# Allegro board reServer industrial J401 Carrier Board v11.brd (continued)
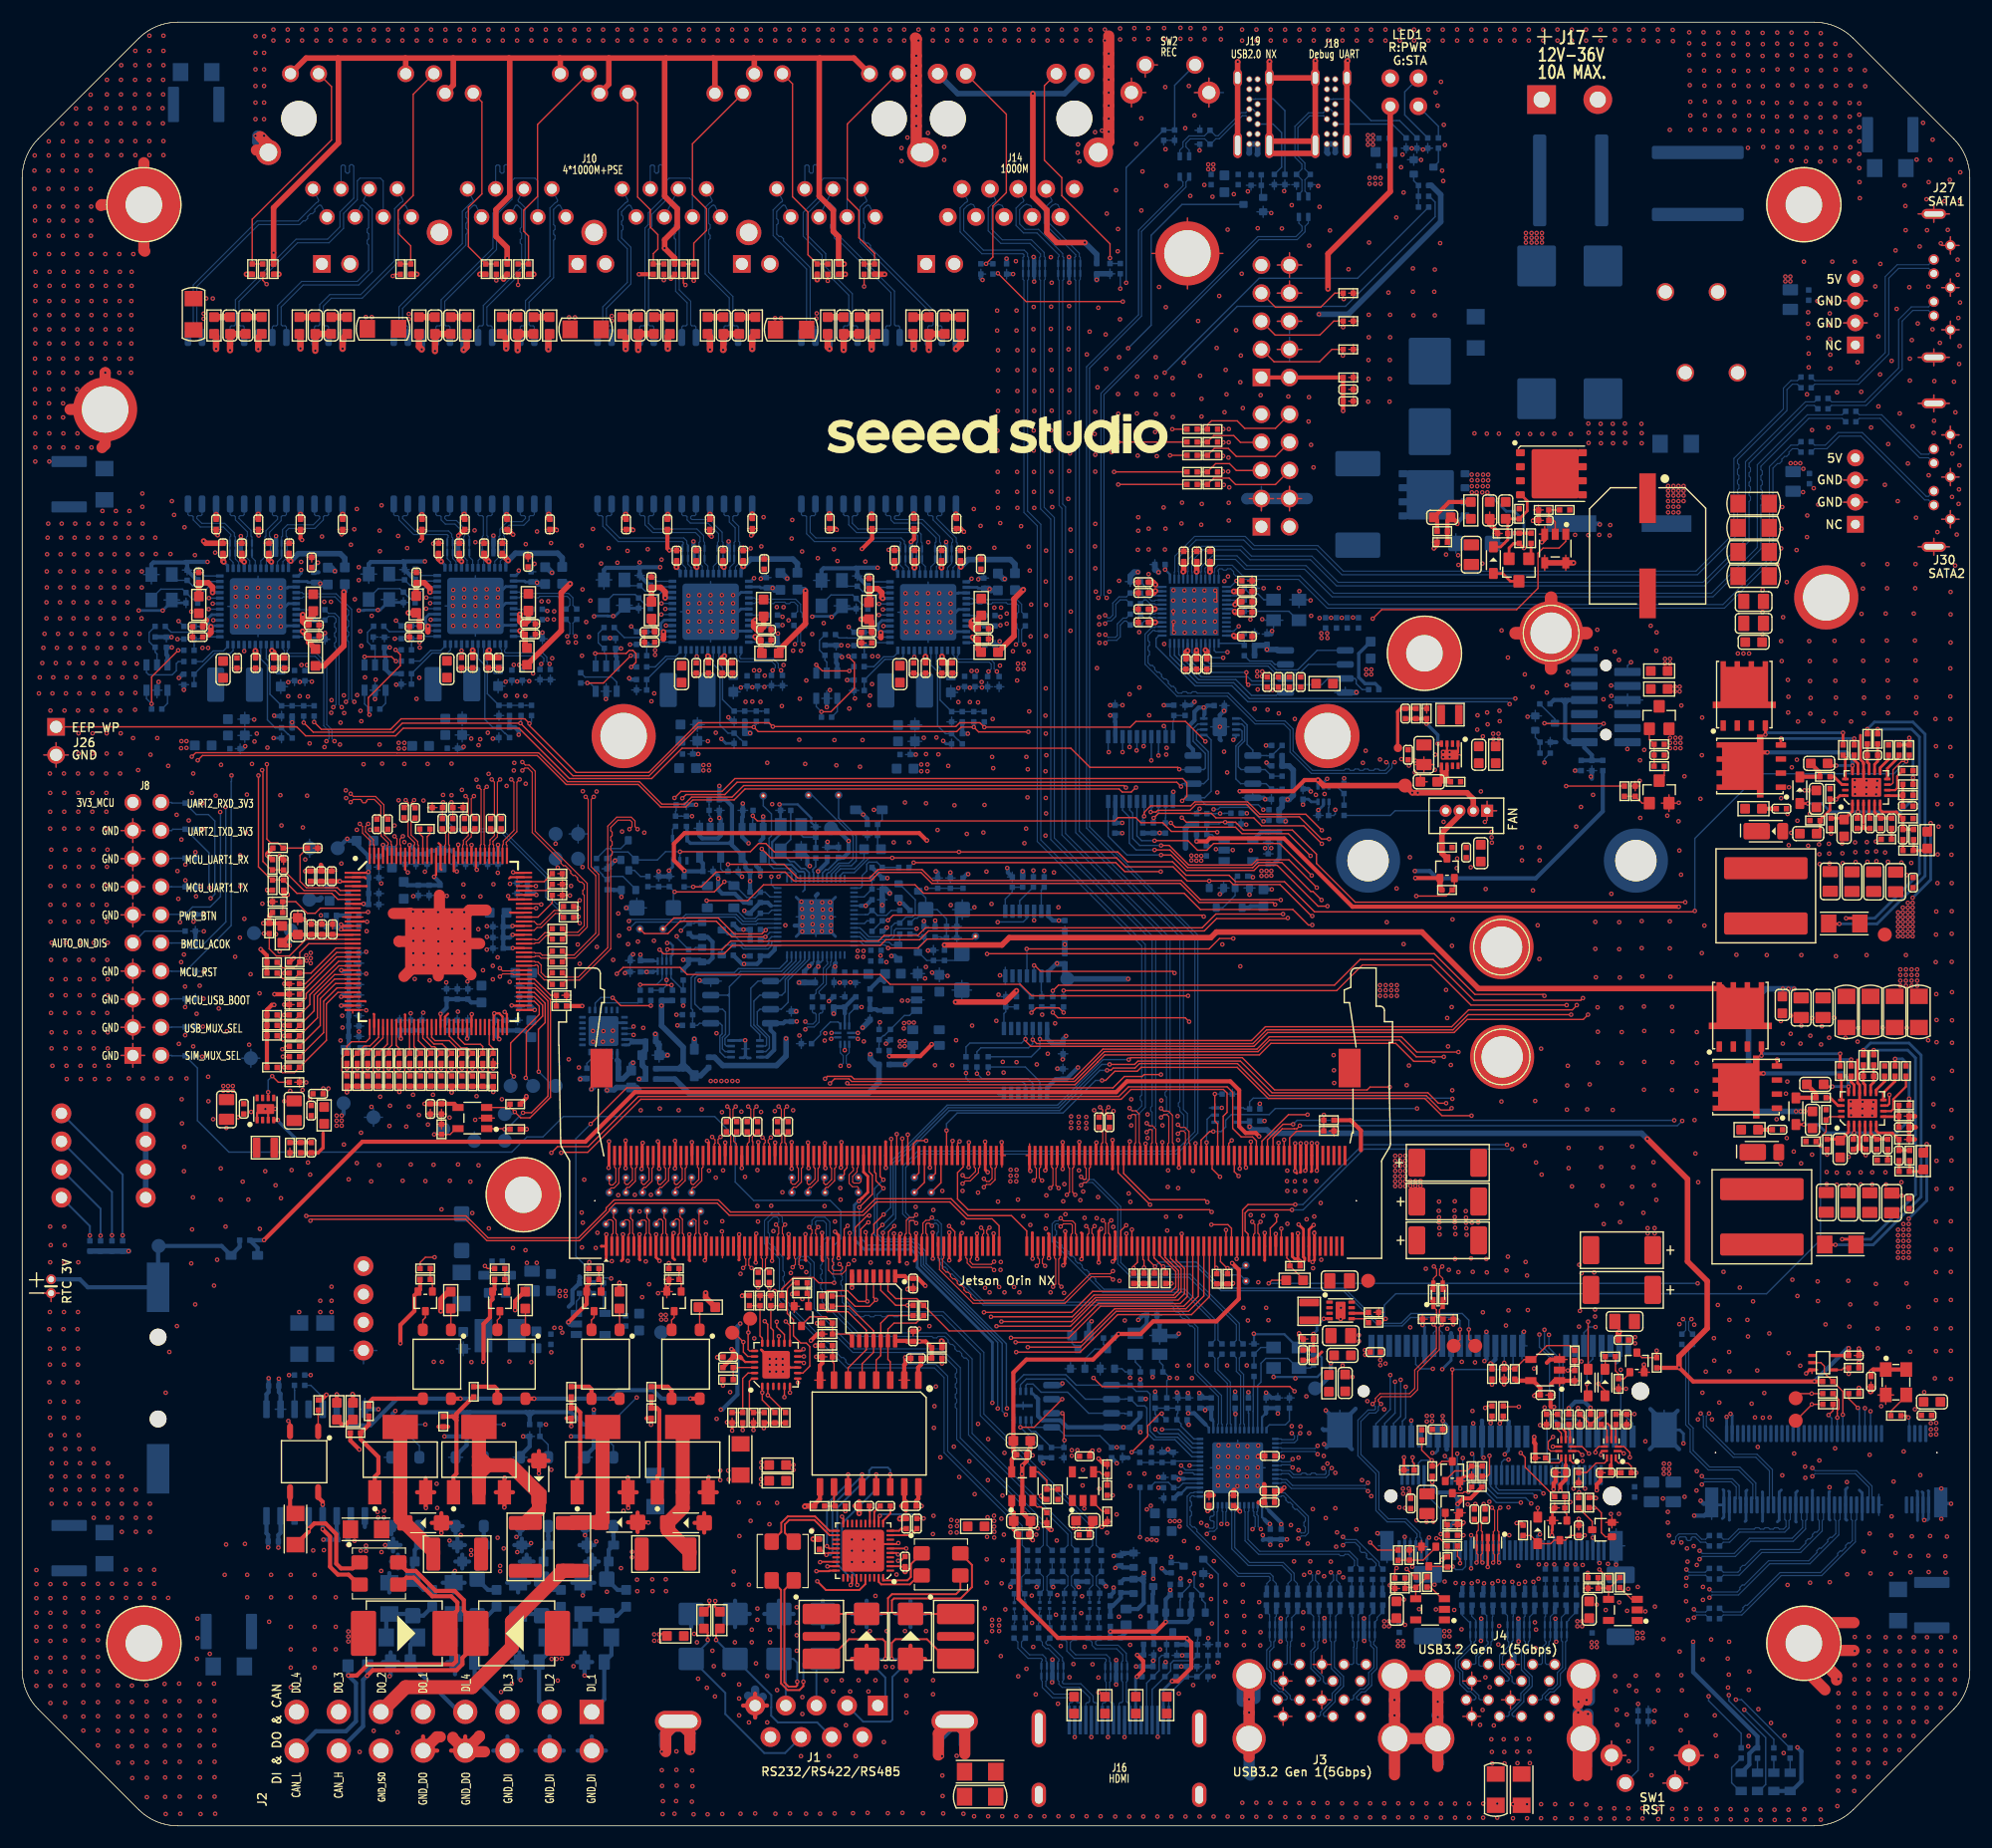
[diagram p0: board, top side]
## Nets (continued)
USBSS_RX_A_CON1_N: J4.14 L5.2 R31.2 U2.4 U2.7
USBSS_RX_A_CON1_N_31554771: J3.14 L2.2 R283.2 U69.4 U69.7
USBSS_RX_A_CON1_P: J4.15 L5.3 R28.2 U2.5 U2.6(NC4)
USBSS_RX_A_CON1_P_31554780: J3.15 L2.3 R289.2 U69.5 U69.6(NC4)
USBSS_RX_A_CON2_N: J4.5 L4.2 R32.2 U2.1 U2.10
USBSS_RX_A_CON2_N_31554819: J3.5 L38.2 R562.2 U69.1 U69.10
USBSS_RX_A_CON2_P: J4.6 L4.3 R33.2 U2.2 U2.9
USBSS_RX_A_CON2_P_31554826: J3.6 L38.3 R563.2 U69.2 U69.9
USBSS_RX_HUB_N: C33.2 U8.51
USBSS_RX_HUB_P: C32.2 U8.50
USBSS_RX_N: C36.1 J9.161
USBSS_RX_P: C35.1 J9.163
USBSS_TX_A_CON1_N: J4.17 L8.2 R38.2 U4.1 U4.10
USBSS_TX_A_CON1_N_31554787: J3.17 L3.2 R558.2 U68.1 U68.10
USBSS_TX_A_CON1_P: J4.18 L8.3 R39.2 U4.2 U4.9
USBSS_TX_A_CON1_P_31554796: J3.18 L3.3 R559.2 U68.2 U68.9
USBSS_TX_A_CON2_N: J4.8 L9.2 R34.2 U4.4 U4.7
USBSS_TX_A_CON2_N_31554833: J3.8 L39.2 R564.2 U68.4 U68.7
USBSS_TX_A_CON2_P: J4.9 L9.3 R35.2 U4.5 U4.6(NC4)
USBSS_TX_A_CON2_P_31554840: J3.9 L39.3 R565.2 U68.5 U68.6(NC4)
USBSS_TX_HUB_N: C36.2 U8.48
USBSS_TX_HUB_P: C35.2 U8.47
USBSS_TX_N: C33.1 J9.166
USBSS_TX_P: C32.1 J9.168(USBSS_TX_P)
USIM_CLK: R336.1 U46.3
USIM_DATA: R333.1 U46.5
USIM_PWR: R328.1 U45.3
USIM_RST: R324.1 U45.5
VAUX_DET: R215.1 R219.1 U38.35
VAUX_DET_31552025: R541.1 R546.1 U30.35
VAUX_DET_31557392: R426.1 R571.1 U48.35
VAUX_DET_31560022: R590.1 R595.1 U71.35
VC1_EN: R465.2 R466.1 U63.18
VOUT_5V: C59.2 D19.1 R64.1 U10.4
VP_1V2: C517.1 FB28.1 U71.14
VP_1V20: C180.1 FB7.1 U38.14
VP_1V21: C440.1 FB18.1 U30.14
VP_1V22: C477.1 FB22.1 U48.14
VPH_2V5: C527.1 FB30.1 U71.23
VPH_2V50: C272.1 FB9.1 U38.23
VPH_2V51: C450.1 FB20.1 U30.23
VPH_2V52: C487.1 FB24.1 U48.23
VPTX_1V2: C518.1 FB29.1 U71.20
VPTX_1V20: C274.1 FB11.1 U38.20
VPTX_1V21: C441.1 FB19.1 U30.20
VPTX_1V22: C478.1 FB23.1 U48.20
W_DISABLE1#_3V3: J5.20(W_DISABLE#) J6.8(W_DISABLE1#) Q26.3 R293.2 R294.2
W_DISABLE2#: J6.26 Q25.3 R306.2
WIFI_EN: Q26.1 R305.1 R307.2
XTALO: C29.1 R48.1 X1.1
YELLOW_LED: D99.2 J14.13(YELC) R253.2
N6173625: R610.1 U76.22
N6174051: R611.1 U76.37
N6182664: R609.1 U76.40
N6182668: C560.1 R609.2 X7.3
N6182676: C559.1 U76.39 X7.1
N6183319: C554.1 R608.1 U76.1(XTSTN)
N6184499: LED4.1 R454.2
N6184581: LED5.1 R607.2
N6199925: C568.1 C569.1 FB36.2 J28.4
N6201040: C576.1 C577.1 FB34.2 J29.4
N6202757: C579.2 Q53.1 R613.2 R617.1
N6202805: Q55.3 R617.2
N6202859: Q55.1 R619.2 R621.1
N21846749: C393.1 U63.100
N21846769: C394.1 U63.101
N21846839: C391.1 U63.106
N21846859: C392.1 U63.107
N21847200: R518.2 TP67.1(TP) U63.16(TEST2)
N21849155: C395.2 U63.110
N21849158: C396.2 U63.111
N21849172: R523.1 U63.86
N21849220: C402.1 U63.73
N21849223: C403.1 U63.74
N21849423: R521.2 U63.85
N21849426: R520.2 U63.83
N21849605: R522.2 U63.80
N21849608: R524.2 U63.81
N21849611: R525.2 U63.77
N21849614: R526.2 U63.78
N21849819: R519.1 U63.116
N21849822: R519.2 U63.115
N21850889: R485.2 U63.26
N21850892: R486.2 U63.27
N21852957: R529.1 TP70.1(TP) U65.5(WP)
N21859538: TP61.1(TP) U63.67
N21859541: TP62.1(TP) U63.68
N21859544: TP63.1(TP) U63.69
N21918247: C389.1 U63.118
N21918268: C390.1 U63.117
N21918359: R527.2 U63.75
N21918364: R528.2 U63.76
N21923392: C387.1 U63.124
N21923407: C388.1 U63.123
N25918036: J9.116 TP34.1(TP)
N25918043: J9.114 TP35.1(TP)
N25918050: J9.122 TP37.1(TP)
N25918057: J9.120 TP38.1(TP)
N25946651: LED1.4 R3.1
N25946676: Q1.3 R3.2
N26055734: C75.1 R107.1 X2.1
N26086243: R117.1 R125.1 U23.31
N26086803: R128.1 R129.1 U23.35
N26280660: TP3.1(TP) U23.17
N26376527: R90.1 R94.1 U17.3
N26991327: OSC2.3 R237.1
N27061287: C199.1 C202.1 D60.2 J19.A4 J19.A9 J19.B4 J19.B9 R273.1
N27061303: Q23.1 R272.1 R273.2
N27061452: D58.2 J19.A7 J19.B7 L24.4
N27061465: D57.2 J19.A6 J19.B6 L24.1
N27077519: G2.1 J17.2 L14.2 R226.1 R228.2
N27077790: C248.1 C250.1 C251.1 Q17.1 Q17.2 Q17.3(S3) Q44.2(E) Q46.1 Q46.2 Q46.3(S3) R371.1 R373.1 R375.1 R376.1
N27077930: D44.2(C) R370.1 R371.2
N27077935: Q44.1 R370.2
N27077990: D89.1 Q44.3
N27078074: C250.2 D89.2(C) Q46.4 R372.1 R376.2
N27079470: C241.1 R375.2
N27107328: Q7.3 R108.2
N27107353: Q8.1 R108.1 R123.1
N27107904: Q8.3 R119.1
N27110960: R96.2 U21.4(Y)
N27125534: R78.1 U14.6
N28330871: R131.1 U23.37
N28376666: R224.1 R225.2 U36.4
N28376672: R236.1 U36.3
N28376840: Q20.1 R254.1 R398.1 R399.2
N28376909: R218.2 R222.1 U35.4
N28376915: R233.1 U35.3
N28376973: D48.1 R258.2
N28376991: Q18.1 R257.1 R259.1
N28388800: C142.1 D40.2(C) R191.2
N28388966: L30.2 R198.1 R366.1
N28389221: C239.1 R368.2
N28389223: R157.2 R165.1 R173.1
N28389375: C124.1 R165.2
N28389559: C125.2 R163.1
N28391241: C95.1 D36.2(C) R147.2
N28391410: L12.2 R112.1 R158.1
N28391647: C81.1 R114.2
N28391649: R183.2 R184.1 R186.1
N28391801: C131.1 R184.2
N28392021: C123.2 R170.1
N28495699: J9.90 TP17.1(TP)
N28495700: J9.88 TP16.1(TP)
N28495701: J9.92 TP7.1(TP)
N28781292: R115.2 R116.2 U18.10
N28788303: LED3.1 R65.1
N28848879: R243.1 U38.48
N28849052: R230.1 U38.24
N28849706: C153.1 R209.2 R210.2 R211.2 U38.29
N28850075: R207.1 R208.2 U38.30
N28892285: Q27.1 R318.2
N28892304: Q27.3(EMITTER) R290.2
N28901986: D21.2(C) R71.2
N28902831: D14.2(C) R14.2 R26.1 R27.1
N28914220: D61.2(C) F2.1 Q28.2 Q28.4
N28914268: Q34.1 R340.2
N28914298: Q34.2 Q39.3
N28914302: Q34.3(EMITTER) R320.1
N28914304: Q28.1 R311.1 R320.2
N28914685: Q39.1 R346.1 R354.2
N28915550: D13.2(C) R13.2 R24.1 R25.1
N28916246: D12.2(C) R12.2 R22.1 R23.1
N28916471: D11.2(C) R11.2 R20.1 R21.1
N28917094: D64.2(C) F3.1 Q29.2 Q29.4
N28917133: Q35.1 R341.2
N28917163: Q35.2 Q40.3
N28917167: Q35.3(EMITTER) R321.1
N28917169: Q29.1 R312.1 R321.2
N28917235: Q40.1 R347.1 R355.2
N28918033: D62.2(C) F4.1 Q30.2 Q30.4
N28918072: Q36.1 R342.2
N28918102: Q36.2 Q41.3
N28918106: Q36.3(EMITTER) R322.1
N28918108: Q30.1 R313.1 R322.2
N28918174: Q41.1 R348.1 R356.2
N28918232: D63.2(C) F5.1 Q31.2 Q31.4
N28918273: Q37.1 R343.2
N28918303: Q37.2 Q42.3
N28918307: Q37.3(EMITTER) R323.1
N28918309: Q31.1 R314.1 R323.2
N28918375: Q42.1 R349.1 R357.2
N28955699: LED2.2(C) R59.1
N29118590: C222.1 D67.1 J6.67 Q33.3 R317.2
N29142445: Q33.1 R326.1 R327.1
N29154261: D56.2 J18.A7 J18.B7 L25.4
N29154278: D55.2 J18.A6 J18.B6 L25.1
N29252447: R160.1 U29.8
N29290663: R154.1 R155.1 U24.5
N29342090: R319.2 U45.8
N29343428: R330.2 U46.8
N29431119: D70.2(C) R441.1
N29450122: J5.24 R309.1
N29505719: C209.1 U42.9
N29505724: C212.1 U42.11
N29505727: C209.2 U42.12
N29505736: C212.2 U42.13
N29505798: C210.2 U42.10
N29505822: C213.2 U42.14
N29690994: Q52.3 R344.2 R345.2 U47.8
N29691331: R335.2 R338.2 U44.7
N29691473: R299.1 R300.1 U44.10
N29726826: D46.2 F1.2 Q17.5 Q17.6 Q17.7 Q17.8 Q17.9
N29726895: C248.2 Q17.4 R369.1 R373.2
N29727171: F1.1 L14.4 R238.2
N29728351: G1.2 R227.2 R228.1
N29996219: R229.2 U37.1
N30008296: J5.25 R308.2
N30008299: J5.23 R310.2
N30018883: R63.2 R67.2 U9.4
N30018889: R66.1 U9.3
N30075251: Q38.3 R329.1
N30075786: J6.23 R298.1
N30078619: Q24.1 R288.2 R292.1
N30121418: Q48.1 R388.2 R441.2
N30132742: C305.1 R389.1 U51.16
N30627968: R421.2 U54.9
N30628418: R423.2 R424.1 U54.8
N30655690: R427.2 R428.2 U57.8
N30656126: R429.2 R430.2 U6.8
N30659066: R202.1 U6.13
N30659137: R431.2 U6.2
N31122927: Q32.1 R434.2 R435.1
N31123236: R439.1 U6.10
N31123275: R436.2 U6.5
N31547889: C415.1 T1.10
N31547933: C410.1 T1.7
N31547957: C409.1 T1.4
N31547983: C408.1 T1.1
N31548037: D97.2 J10.A12 R172.2
N31548067: D100.2 J10.A10 R167.2
N31548125: C411.1 R214.2
N31548127: C412.1 R479.2
N31548129: C413.1 R480.2
N31548131: C414.1 R538.2
N31548197: C411.2 C412.2 C413.2 C414.2 C416.1
N31551974: R551.1 U30.48
N31551977: R550.1 U30.24
N31551981: C424.1 R539.2 R547.2 R548.2 U30.29
N31551983: R540.2 R549.1 U30.30
N31552042: R556.2 U52.1
N31552073: C425.1 T2.10
N31552083: C419.1 T2.7
N31552092: C418.1 T2.4
N31552104: C417.1 T2.1
N31552121: D103.2 J10.B12 R553.2
N31552130: D104.2 J10.B10 R554.2
N31552133: C420.1 R542.2
N31552134: C421.1 R543.2
N31552135: C422.1 R544.2
N31552136: C423.1 R545.2
N31552138: C420.2 C421.2 C422.2 C423.2 C426.1
N31557341: R576.1 U48.48
N31557344: R575.1 U48.24
N31557348: C461.1 R365.2 R572.2 R573.2 U48.29
N31557350: R425.2 R574.1 U48.30
N31557409: R581.2 U55.1
N31557440: C462.1 T3.10
N31557450: C456.1 T3.7
N31557459: C455.1 T3.4
N31557471: C297.1 T3.1
N31557488: D10.2 J10.C12 R578.2
N31557497: D71.2 J10.C10 R579.2
N31557500: C457.1 R567.2
N31557501: C458.1 R568.2
N31557502: C459.1 R569.2
N31557503: C460.1 R570.2
N31557505: C457.2 C458.2 C459.2 C460.2 C463.1
N31559971: R600.1 U71.48
N31559974: R599.1 U71.24
N31559978: C501.1 R588.2 R596.2 R597.2 U71.29
N31559980: R589.2 R598.1 U71.30
N31560039: R605.2 U72.1
N31560070: C502.1 T4.10
N31560080: C496.1 T4.7
N31560089: C495.1 T4.4
N31560101: C494.1 T4.1
N31560118: D73.2 J10.D12(YELC) R602.2
N31560127: D74.2 J10.D10 R603.2
N31560130: C497.1 R591.2
N31560131: C498.1 R592.2
N31560132: C499.1 R593.2
N31560133: C500.1 R594.2
N31560135: C497.2 C498.2 C499.2 C500.2 C503.1
N31600369: C581.1 R622.2 U77.5 U77.6
N31601649: L35.1 U64.2(SW)
N31601691: R456.1 U64.6
N31601759: C329.2 R455.2 R457.1 U64.4
N31798159: R442.1 U51.8
N32051114: LED1.2(RED-) R443.1
N32246249: D76.2 J25.8 R449.2
N32246268: D75.2 J25.10 R450.2
N32249612: J1.2 TBU1.3 TISP2.2(T)
N32249635: J1.1 TBU2.3 TISP1.2(T)

Pads without a net: J1 6 9; J5 3 5 6 7 16 17 19 28 31 33 44 46 48; J6 1 21 40 41 42 43 44 46 47 48 49 50 52 53 54 55 56 58 59 61 63 65 69 75; J11 4 5 6 13; J14 10; J16 14; J21 6 8 10 20 22 24 26 28 30 32 34 36 38 46 48 56 58 67 69; J28 1; J29 1; MH14 1; MH15 1; TBU1 2; TBU2 2; U6 6 9; U7 4 6 7 14; U21 1; U23 8 11 13 15 18 28 30 32 34 36; U33 1; U34 1; U42 1 3 4 8 15 16 17 18 19 23 24 27 31 32 35 37 38; U47 6 9; U51 3 4; U54 1 10 11 12 13 14 15 16 17 18 19 22 23 24; U57 5 6 9 10; U63 48 52 54 57 58 59 114; U76 43 44 45 46

## Via types
v1: diameter 0.406, hole 0.203, TOP to BOTTOM, 5213 vias

## Routing (per net, layer and track width the routed paths; a pad name or vN(x,y) marks a point on that pad's centre or on a via; arc(x,y) is an arc through that point)
1V1_MCU: length 25.5
  LAY3 w0.381: v1(74.68,89) 74.68,79.76 73.46,78.54 v1(73.46,77.65) 72.93,77.65 72.4,78.18 71.61,78.18 v1(71.13,77.7)
  BOTTOM w0.152: C79.1 73.77,87.36 72.82,86.41 72.62,86.41 72.32,86.1 U23.23 ; 73.52,77.98 U23.45 ; U23.50 71.52,78.09 71.35,77.93
  BOTTOM w0.381: TP49.1 73.54,90.15 v1(74.68,89) 74.68,87.97 74.22,87.51 C79.1 ; C109.1 70.7,77.27 v1(71.13,77.7) 71.35,77.93 ; v1(73.46,77.65) 73.36,77.55 C107.1 73.44,77.22 73.44,77.9 73.52,77.98
1V25_FB: length 4.9
  TOP w0.305: U77.4 v1(127.92,97.79) ; v1(126.91,99.6) 126.92,99.61 R625.1 R624.2 C580.2
  BOTTOM w0.305: v1(127.92,97.79) 127.92,98.58 v1(126.91,99.6)
3V3_LDO: length 2.6
  BOTTOM w0.381: FB4.1 77.73,76.98 77.73,76.75 77.42,76.44 ; 77.91,76.25 77.72,76.44 77.42,76.44 ; 77.42,76.44 R151.1
3V3_LDO_EN: length 5.5
  BOTTOM w0.127: U26.3 80.64,73.68 80.19,73.23 79.72,73.23 C132.1 77.9,71.41 77.81,71.41 R177.2 77.44,70.6 77.43,70.59 R189.2
3V3_LS_VCC: length 19.6
  LAY4 w0.508: v1(57.78,74.12) 56.44,75.46 v1(56.44,77.16)
  BOTTOM w0.203: 57.02,77.17 57.08,77.24 U24.8
  BOTTOM w0.381: 57.02,77.17 57.01,77.16 v1(56.44,77.16) 56.43,77.17 C105.1
  BOTTOM w0.508: 59.71,68.43 60.1,68.43 ; 59.71,68.43 59.35,68.43 ; 59.71,68.43 59.73,68.45 59.73,68.81 ; 60.1,68.43 D94.2 61.3,67.79 R419.2 ; 60.1,68.43 60.1,68.44 59.73,68.81 ; R156.1 R418.1 57.79,74.13 v1(57.78,74.12) 57.78,72.32 59.73,70.36 59.73,68.81 ; 59.35,68.43 R420.2 ; 59.35,68.43 59.73,68.81
3V3_MCU: length 105.1
  LAY3 w0.381: J8.19 11.66,94.14 39.51,94.14 42.15,96.78 49.16,96.78 50.49,95.45 50.49,95.41 51.69,94.21 62.78,94.21 v1(63,93.98)
  BOTTOM w0.152: U23.1 68.22,79.55 68,79.33 ; 75.76,83.15 U23.33 ; U23.49 71.92,78.05 72.17,78.05 72.32,78.21 U23.48 ; U23.22 v1(71.92,86.26) ; U23.10 67.66,83.15
  BOTTOM w0.254: U27.8 67.31,69.47 67.33,69.49
  BOTTOM w0.305: R97.1 60.08,90.26 U21.5 60.08,89.1 60.38,88.8 63.89,88.8 ; 64.14,89.05 63.89,88.8 ; 63.89,88.8 63.98,88.8 64.14,88.63
  BOTTOM w0.381: R137.1 77.8,80.85 v1(78.14,81.18) ; 67.33,69.49 67.95,70.11 67.95,71.59 67.63,71.91 U28.8 68.78,72.53 68.93,72.68 C121.1 69.98,72.68 v1(69.99,72.7) ; 10.01,92.49 J8.19 ; R142.1 65.05,77.89 v1(65.23,77.89) 66.41,77.89 66.7,78.17 C100.1 67.44,78.61 68,79.17 68,79.33 ; R100.1 76.38,91.02 v1(76,91.39) 75.57,91.82 D26.2 ; C111.1 71.66,77.37 v1(71.94,77.65) 71.92,77.67 71.92,78.05 ; v1(63,93.98) R87.1 63.57,92.74 64.14,92.17 64.14,88.63 65.06,87.72 U20.5 65.06,87.36 65.36,87.06 65.36,86.56 65.66,86.26 C84.1 v1(65.78,85.37) R126.1 ; v1(78.54,78.61) 78.86,78.61 Q14.1 ; C90.1 76.77,83.69 v1(76.23,83.15) 75.76,83.15 ; v1(78.19,85.65) R117.2 77.72,85.69 R111.1 ; Q9.1 79.2,83.47 v1(79.3,83.36) 79.59,83.36 R128.2 ; R140.1 65.79,81 R135.1 v1(65.18,81) 64.73,81 R136.1 ; v1(71.92,86.26) 72.75,87.09 C80.1 ; 67.66,83.15 67.37,83.44 C93.1 65.78,82.51 R130.1 65.49,82.47 v1(65.26,82.7) ; R175.1 v1(59.21,72.34)
  vias: v1(75.47,78.54) v1(75.51,79.07) v1(76.03,79.07) v1(76,78.54)
3V3_MCU_FB: length 2.6
  BOTTOM w0.381: R151.2 R168.1 77.18,73.79 77.29,73.68 U26.4
3V3_UART: length 16.5
  LAY3 w0.508: v1(72.9,74.52) 69.94,74.52 69.03,73.61 v1(69.03,71.15)
  BOTTOM w0.381: v1(72.9,74.52) 73.31,74.93 R417.1
  BOTTOM w0.508: v1(69.03,71.15) 69.03,69.57 68.17,68.71 63.31,68.71 62.57,69.45 R419.1
3V3_USB_SWITCH: length 35.3
  LAY4 w0.508: v1(73.34,73.4) 75.7,73.4 76.64,72.47 v1(76.64,69.72)
  BOTTOM w0.203: U29.9 74.33,73.43
  BOTTOM w0.381: R159.1 75.26,74.92 C117.1 ; C117.1 74.34,73.43 74.33,73.43 ; C117.1 73.34,73.99 73.34,74
  BOTTOM w0.508: R422.2 58.98,67.48 60.32,66.14 76.4,66.14 77.43,67.18 R284.1 77.15,68.8 76.64,69.31 v1(76.64,69.72) ; v1(73.34,73.4) 73.34,74 R417.2
5V_ISO: length 7.1
  TOP w0.381: R405.1 v1(28.44,38.99)
  BOTTOM w0.381: U7.11 28.43,26.51 28.51,26.43 C292.1 v1(27.22,25.86) ; U7.16 22.08,26.44 22.23,26.29 C14.1 v1(22.23,25.16)
  vias: v1(48.58,48.33) v1(48.58,47.88) v1(49.11,48.33) v1(49.11,47.88) v1(66.77,31.32) v1(66.77,30.86)
12V_DI_1_R: length 7.2
  BOTTOM w0.381: Q5.1 53.42,26.2 53.44,26.18 D18.2 53,24.94 C13.1 52.83,23.71 D14.1 53.8,21.32 R27.2
12V_DI_2_R: length 7.2
  BOTTOM w0.381: R25.2 47.91,21.32 D13.1 46.94,23.71 C12.1 47.11,24.94 D17.2 47.55,26.18 47.53,26.2 Q4.1
12V_DI_3_R: length 7.2
  BOTTOM w0.381: R23.2 42.09,21.32 D12.1 41.12,23.71 C11.1 41.3,24.94 D16.2 41.73,26.18 41.71,26.2 Q3.1
12V_DI_4_R: length 7.2
  BOTTOM w0.381: R21.2 36.28,21.32 D11.1 35.3,23.71 C10.1 35.48,24.94 D15.2 35.92,26.18 35.9,26.2 Q2.1
AVDD12_1V2: length 13.2
  TOP w0.508: FB27.1 76.57,110.62 76.57,111.77 C521.1 77.33,111.8 77.68,111.45 77.68,111.01 v1(77.77,110.92) ; v1(80.62,113.7) 80.65,113.73 C519.1 ; C520.1 83.09,113.71 v1(83.07,113.7)
  LAY4 w0.508: v1(77.77,110.92) 77.77,111.73 79.73,113.7 v1(80.62,113.7) v1(83.07,113.7)
  BOTTOM w0.254: U71.45 v1(77.77,110.92) ; U71.4 v1(80.62,113.7) ; v1(83.07,113.7) 83.12,113.65 U71.9
AVDD12_1V20: length 13.1
  TOP w0.508: v1(20.07,114.22) 19.86,114.43 C280.1 ; v1(22.52,114.22) 22.29,114.45 C279.1 ; v1(17.21,111.45) 17.21,111.94 16.82,112.33 C275.1 15.97,112.32 FB10.1
  LAY4 w0.508: v1(22.52,114.22) v1(20.07,114.22) 19.98,114.22 v1(17.21,111.45)
  BOTTOM w0.254: v1(22.52,114.22) 22.57,114.18 U38.9 ; U38.45 v1(17.21,111.45) ; U38.4 v1(20.07,114.22)
AVDD12_1V21: length 13
  TOP w0.508: v1(36.85,111.49) 36.85,111.83 36.34,112.34 C443.1 35.61,112.33 FB17.1 ; v1(42.16,114.27) 41.74,114.69 C442.1 ; v1(39.71,114.27) 39.51,114.47 C444.1
  LAY4 w0.508: v1(36.85,111.49) 39.63,114.27 v1(39.71,114.27) v1(42.16,114.27)
  BOTTOM w0.254: v1(42.16,114.27) 42.21,114.22 U30.9 ; U30.4 v1(39.71,114.27) ; U30.45 v1(36.85,111.49)
AVDD12_1V22: length 12.7
  TOP w0.508: C481.1 63.34,113.82 v1(63.42,113.74) ; FB13.1 C480.1 57.7,111.92 58.11,111.51 v1(58.11,110.97) ; C479.1 60.92,113.79 v1(60.96,113.74)
  LAY4 w0.508: v1(58.11,110.97) 60.88,113.74 v1(60.96,113.74) v1(63.42,113.74)
  BOTTOM w0.254: v1(63.42,113.74) 63.46,113.7 U48.9 ; U48.45 v1(58.11,110.97) ; U48.4 v1(60.96,113.74)
AVDDH_2V5: length 15.6
  TOP w0.508: C528.1 84.8,113.8 v1(84.83,113.77) ; v1(78.78,113.7) 78.83,113.75 C529.1
  LAY4 w0.508: v1(84.83,113.77) 84.83,113.9 84.24,114.5 79.58,114.5 v1(78.78,113.7)
  BOTTOM w0.254: U71.1 79.12,113.36 v1(78.78,113.7) ; U71.12 84.62,113.56 v1(84.83,113.77)
  BOTTOM w0.508: v1(84.83,113.77) 85.49,114.44 89.3,114.44 89.71,114.03 FB31.1
AVDDH_2V50: length 15.8
  TOP w0.508: C281.1 18.15,114.3 v1(18.23,114.22) ; v1(24.27,114.3) 24.12,114.45 C278.1
  LAY4 w0.508: v1(18.23,114.22) 18.97,114.96 23.74,114.96 24.27,114.43 v1(24.27,114.3)
  BOTTOM w0.254: v1(18.23,114.22) 18.57,113.89 U38.1 ; U38.12 24.07,114.09 v1(24.27,114.3)
  BOTTOM w0.508: v1(24.27,114.3) 24.94,114.96 28.75,114.96 29.16,114.55 FB8.1
AVDDH_2V51: length 16
  TOP w0.508: C451.1 37.63,114.51 v1(37.87,114.27) ; C452.1 43.39,114.87 v1(43.92,114.34)
  LAY4 w0.508: v1(37.87,114.27) 38.67,115.06 43.22,115.06 43.92,114.37 v1(43.92,114.34)
  BOTTOM w0.254: U30.1 38.21,113.93 v1(37.87,114.27) ; U30.12 43.71,114.14 v1(43.92,114.34)
  BOTTOM w0.508: FB21.1 48.8,114.6 48.39,115.01 44.58,115.01 v1(43.92,114.34)
AVDDH_2V52: length 15.3
  TOP w0.508: C489.1 65.15,113.83 v1(65.17,113.82) ; C488.1 59.14,113.76 v1(59.12,113.74)
  LAY4 w0.508: v1(59.12,113.74) 59.81,114.43 64.55,114.43 65.16,113.82 v1(65.17,113.82)
  BOTTOM w0.254: v1(65.17,113.82) 64.96,113.61 U48.12 ; v1(59.12,113.74) 59.46,113.4 U48.1
  BOTTOM w0.508: v1(65.17,113.82) 65.83,114.48 69.64,114.48 70.05,114.07 FB25.1
GND: length 2463.2
  TOP w0.127: C465.2 61.34,104.18 ; C465.2 60.49,104.18 ; C465.2 60.91,103.75 ; C543.2 106.57,115.18 ; C543.2 106.15,115.61 ; C543.2 105.72,115.18 ; 126.67,95.22 C583.2 ; C583.2 126.67,96.59 ; C583.2 125.79,95.9 ; C583.2 127.55,95.9 ; 167.69,38.94 OSC2.2 ; OSC2.2 168.4,39.78 ; OSC2.2 169.11,38.94 ; OSC2.2 168.4,38.1 ; D93.1 120.72,135.98 ; D93.1 120.29,135.55 ; D93.1 120.29,136.41 ; D93.1 119.86,135.98 ; 128.89,45.79 D66.1 ; D66.1 129.75,45.79 ; D66.1 129.32,46.22 ; J3.16 118.25,14.59 ; J3.16 117.44,13.79 ; J3.16 116.64,14.59 ; J3.16 117.44,15.4 ; 67.23,47.93 C305.2 ; C305.2 67.66,47.5 ; C305.2 68.09,47.93 ; C478.2 67.68,108.53 ; C478.2 68.11,108.1 ; C478.2 67.68,107.67 ; 15.4,107 C271.2 ; C271.2 15.4,107.86 ; C271.2 14.97,107.43 ; C528.2 85.23,115.26 ; C528.2 84.8,115.69 ; C528.2 84.37,115.26 ; C374.2 26.55,81.48 ; C374.2 26.13,81.91 ; C374.2 25.7,81.48 ; 10.01,73.64 J8.5 ; J8.5 11.07,74.7 ; J8.5 8.94,74.7 ; J8.5 10.01,75.77 ; 22.62,83.09 R488.2 ; R488.2 22.19,83.52 ; R488.2 23.05,83.52 ; R488.2 22.62,83.94 ; 63.26,103.75 C470.2 ; C470.2 62.83,104.18 ; C470.2 63.69,104.18 ; R523.2 48.82,84.52 ; R523.2 48.39,84.09 ; R523.2 49.25,84.09 ; R523.2 48.82,83.66 ; 127.43,116 R369.2 127.86,116.43 ; 125.37,24.51 R292.2 ; R292.2 125.37,25.36 ; R292.2 125.79,24.93 ; R292.2 124.94,24.93 ; 87.33,107.76 C518.2 ; C518.2 87.33,108.62 ; C518.2 87.75,108.19 ; R383.2 64.16,36.86 ; R383.2 64.59,36.43 ; R383.2 63.73,36.43 ; 137.08,116.73 U49.3 137.58,117.42 ; 19.42,104.19 C267.2 ; C267.2 19.84,104.62 ; C267.2 18.99,104.62 ; 36.63,92.02 R531.2 ; R531.2 37.06,91.59 ; R531.2 37.49,92.02 ; R531.2 37.06,92.45 ; R18.2 124.04,21.88 ; R18.2 124.04,21.03 ; R18.2 123.61,21.45 ; R18.2 124.47,21.45 ; 106.91,115.18 C538.2 ; C538.2 107.34,115.61 ; C538.2 107.77,115.18 ; 145.33,93.96 R621.2 ; R621.2 145.76,93.53 ; R621.2 145.76,94.39 ; R621.2 146.19,93.96 ; 166.72,119.62 J29.2 164.59,119.62 ; J7.1 133.23,91.73 ; J7.1 132.38,92.59 ; J7.1 132.38,90.88 ; 40.29,104.66 C439.2 ; C439.2 41.15,104.66 ; C439.2 40.72,104.23 ; 18.15,116.34 C281.2 18.58,115.91 ; 112.28,33.86 C20.2 112.28,33 ; J30.G2 175.02,121.89 ; J30.G2 173.46,121.89 ; J30.G2 174.24,122.67 ; J30.G2 174.24,121.11 ; C375.2 27.09,81.91 ; C375.2 27.52,81.48 ; C375.2 26.66,81.48 ; C451.2 37.19,115.91 v1(37.15,115.88) ; C451.2 37.63,116.34 ; C451.2 38.06,115.91 ; SW1.4 150.62,7.67 ; SW1.4 149.31,6.36 ; SW1.4 150.62,5.06 ; SW1.4 151.93,6.36 ; J4.4 130.99,10.7 ; J4.4 130.99,9.09 ; J4.4 131.8,9.89 ; J4.4 130.19,9.89 ; 100.43,109.95 C540.2 ; C540.2 100.85,110.37 ; C540.2 100.85,109.52 ; 148.81,91.67 Q55.2 ; Q55.2 148.81,93.17 ; Q55.2 149.5,92.42 ; Q55.2 148.13,92.42 ; 10.01,68.56 J8.1 ; J8.1 11.07,69.62 ; J8.1 10.01,70.69 ; J8.1 8.94,69.62 ; 41.29,63.96 U65.2 42.66,63.96 ; 48.39,85.08 R501.2 ; R501.2 48.82,85.51 ; R501.2 49.25,85.08 ; R501.2 48.82,84.66 ; 71.62,40.28 U44.8 ; U44.8 72.09,41.26 ; U44.8 72.57,40.28 ; R457.2 24.62,60.83 ; R457.2 24.19,61.26 ; R457.2 24.19,60.4 ; 170.09,62.03 R180.2 ; R180.2 170.51,62.46 ; R180.2 170.51,61.6 ; 37.61,83.1 v1(37.61,79.93) 40.79,79.93 ; 64.72,115.25 C489.2 ; C489.2 65.15,115.67 ; C489.2 65.58,115.25 ; 164.59,137.82 J28.3 166.72,137.82 ; 60.49,115.25 C479.2 ; C479.2 60.92,115.67 ; C479.2 61.34,115.25 ; 37.9,62.98 R529.2 ; R529.2 37.9,63.84 ; R529.2 37.47,63.41 ; R529.2 38.33,63.41 ; 27.63,81.48 C376.2 ; C376.2 28.06,81.05 ; C376.2 28.06,81.91 ; 128.36,35.4 C214.2 ; C214.2 128.36,36.26 ; C214.2 128.78,35.83 ; 81.02,117.23 C495.2 80.16,117.23 ; 36.89,63.9 C401.2 ; C401.2 36.89,64.75 ; C401.2 37.31,64.33 ; C401.2 36.46,64.33 ; 2.62,47.38 J12.1 ; J12.1 3.37,48.14 ; J12.1 1.86,48.14 ; D42.1 118.97,62.8 ; D42.1 118.11,62.8 ; D42.1 118.54,62.38 ; D42.1 118.54,63.23 ; J4.16 134.49,15.4 ; J4.16 135.3,14.59 ; J4.16 133.69,14.59 ; J4.16 134.49,13.79 ; 92.59,27.81 R236.2 92.16,27.39 ; 102.59,159.14 SW2.2 101.49,158.03 ; C280.2 19.86,116.34 ; C280.2 19.43,115.91 ; C280.2 20.28,115.91 ; 134.49,10.59 J4.7 ; J4.7 134.49,12.2 ; J4.7 135.3,11.39 ; J4.7 133.69,11.39 ; C487.2 68.1,107.17 ; C487.2 67.67,106.74 ; C487.2 67.67,107.6 ; SW1.2 149.37,4.97 ; SW1.2 150.48,3.86 ; SW1.2 148.26,3.86 ; 171.34,132.71 J27.S2 ; J27.S2 174.15,132.71 ; J27.S2 172.74,131.95 ; J27.S2 172.74,133.46 ; J30.G1 175.02,125.7 ; J30.G1 173.46,125.7 ; J30.G1 174.24,126.48 ; J30.G1 174.24,124.92 ; 20.91,117.15 C410.2 21.77,117.15 ; C450.2 46.8,107.68 ; C450.2 46.37,107.26 ; C450.2 46.37,108.11 ; 35,107.95 C438.2 34.57,108.38 ; 111.13,109.24 C541.2 ; C541.2 111.56,109.67 ; C541.2 111.13,110.1 ; 126.97,94.35 C581.2 126.35,94.97 ; 25.74,114.64 C282.2 ; C282.2 26.16,114.21 ; C282.2 26.59,114.64 ; C282.2 26.16,115.06 ; 47.69,116.73 C417.2 47.26,117.15 ; 81.21,104.18 C516.2 ; C516.2 81.64,103.75 ; C516.2 82.07,104.18 ; 65.66,36.43 R381.2 ; R381.2 66.52,36.43 ; R381.2 66.09,36.86 ; J8.7 11.07,77.24 ; J8.7 10.01,76.18 ; J8.7 8.94,77.24 ; J8.7 10.01,78.31 ; 140.32,36.27 C223.2 ; C223.2 140.75,36.7 ; C223.2 140.75,35.84 ; R476.2 49.19,75.48 ; R476.2 48.77,75.05 ; R476.2 49.19,74.62 ; R476.2 49.62,75.05 ; C474.2 67.48,114.49 ; C474.2 67.05,114.91 ; C474.2 66.62,114.49 ; 104.74,104.53 C534.2 ; C534.2 105.6,104.53 ; C534.2 105.17,104.1 ; 65.55,117.23 C297.2 66.41,117.23 ; J3.13 114.75,13.09 ; J3.13 113.94,12.29 ; J3.13 113.94,13.9 ; J3.13 113.14,13.09 ; J3.4 114.75,9.89 ; J3.4 113.94,10.7 ; J3.4 113.14,9.89 ; J3.4 113.94,9.09 ; 119.86,133.43 D91.1 ; D91.1 120.29,133.86 ; D91.1 120.29,133 ; D91.1 120.72,133.43 ; R233.2 98.48,27.49 ; R233.2 98.05,27.92 ; R233.2 97.62,27.49 ; R233.2 98.05,27.06 ; C527.2 87.75,107.25 ; C527.2 87.33,107.68 ; C527.2 87.33,106.82 ; J8.13 11.07,84.86 ; J8.13 10.01,85.93 ; J8.13 10.01,83.8 ; J8.13 8.94,84.86 ; 144.25,39.06 R388.1 ; R388.1 144.68,39.49 ; R388.1 144.25,39.91 ; R388.1 143.82,39.49 ; 130.99,12.29 J4.13 ; J4.13 130.19,13.09 ; J4.13 131.8,13.09 ; J4.13 130.99,13.9 ; 88.53,59.53 J9.144 88.85,60.58 ; 80.57,103.75 C509.2 ; C509.2 80.14,104.18 ; C509.2 80.99,104.18 ; 137.03,117.54 C249.2 ; C249.2 137.46,117.97 ; C249.2 137.03,118.4 ; C550.2 111.13,107.91 ; C550.2 111.56,107.48 ; C550.2 111.13,107.05 ; D65.1 126.55,46.22 ; D65.1 126.12,45.8 ; D65.1 126.98,45.8 ; J30.S2 174.15,115.59 ; J30.S2 172.74,116.35 ; J30.S2 172.74,114.83 ; J30.S2 171.34,115.59 ; R74.2 116.19,44 ; R74.2 115.33,44 ; R74.2 115.76,43.57 ; R611.2 111.57,112.51 ; R611.2 111.15,112.94 ; R611.2 111.15,112.09 ; R611.2 110.72,112.51 ; R462.2 24.57,74.21 ; R462.2 24.14,73.78 ; R462.2 24.14,74.64 ; J8.15 11.07,87.4 ; J8.15 10.01,86.34 ; J8.15 10.01,88.47 ; J8.15 8.94,87.4 ; 119.86,130.89 D90.1 ; D90.1 120.72,130.89 ; D90.1 120.29,130.46 ; D90.1 120.29,131.32 ; U44.2 80.19,40.28 ; U44.2 79.71,41.26 ; U44.2 79.24,40.28 ; C437.2 45.71,115.12 ; C437.2 45.71,114.27 ; C437.2 45.28,114.69 ; C437.2 46.14,114.69 ; C224.2 143.05,31.91 ; C224.2 142.62,32.34 ; C224.2 142.2,31.91 ; 138.92,39.74 U53.1 139.6,40.24 ; 140.66,26.74 C222.2 ; C222.2 141.09,27.17 ; C222.2 140.23,27.17 ; 114.52,139.94 J15.10 ; J15.10 115.63,141.05 ; J15.10 113.42,141.05 ; J15.10 114.52,142.15 ; Q39.2 58.75,48.29 ; Q39.2 57.76,48.29 ; Q39.2 58.25,47.73 ; C545.2 100.85,112.82 ; C545.2 100.43,112.39 ; C545.2 100.85,111.96 ; 140.29,39.8 R316.2 ; R316.2 140.29,40.65 ; R316.2 140.71,40.22 ; 55.81,106.96 C469.2 ; C469.2 56.24,106.53 ; C469.2 56.24,107.39 ; 119.86,138.51 D92.1 ; D92.1 120.72,138.51 ; D92.1 120.29,138.94 ; D92.1 120.29,138.08 ; C398.2 24.05,87.3 ; C398.2 23.62,87.73 ; C398.2 23.62,86.87 ; C398.2 23.19,87.3 ; 46.37,108.2 C441.2 ; C441.2 46.37,109.05 ; C441.2 46.8,108.62 ; 98.05,33.11 R222.2 98.05,32.26 ; C519.2 81.08,115.26 ; C519.2 80.65,115.69 ; C519.2 80.22,115.26 ; C272.2 27.25,107.55 ; C272.2 26.82,107.98 ; C272.2 26.82,107.12 ; 174.24,117.3 J30.G3 ; J30.G3 175.02,118.08 ; J30.G3 173.46,118.08 ; J30.G3 174.24,118.86 ; 28.53,117.15 C408.2 29.39,117.15 ; C505.2 83.55,104.18 ; C505.2 82.69,104.18 ; C505.2 83.12,103.75 ; 111.13,111.13 C536.2 ; C536.2 111.56,111.55 ; C536.2 111.13,111.98 ; C279.2 22.29,116.34 ; C279.2 22.72,115.91 ; C279.2 21.87,115.91 ; 36.56,117.15 C425.2 35.71,117.15 ; J27.G3 175.02,135.2 ; J27.G3 174.24,135.98 ; J27.G3 174.24,134.42 ; J27.G3 173.46,135.2 ; 107.05,104.1 C537.2 ; C537.2 107.48,104.53 ; C537.2 106.62,104.53 ; R319.1 137.16,33.25 ; R319.1 136.73,32.82 ; R319.1 136.3,33.25 ; 42.63,104.66 C448.2 ; C448.2 43.06,104.23 ; C448.2 43.49,104.66 ; 132.61,117.67 132.61,117.49 ; 23.72,104.19 C269.2 ; C269.2 24.15,104.62 ; C269.2 23.29,104.62 ; 138.77,27.59 Q33.2 137.78,27.59 ; 133.32,116.37 R372.2 ; R372.2 132.89,116.79 ; R372.2 133.75,116.79 ; 39.7,104.23 C433.2 ; C433.2 40.13,104.66 ; C433.2 39.27,104.66 ; 10.01,71.1 J8.3 ; J8.3 11.07,72.16 ; J8.3 8.94,72.16 ; J8.3 10.01,73.23 ; 54.15,117.15 C462.2 54.58,116.73 ; R625.2 126.92,101.41 ; R625.2 126.49,100.98 ; R625.2 126.92,100.55 ; R440.2 141.92,21.48 ; R440.2 141.49,21.91 ; R440.2 141.49,21.05 ; R440.2 141.06,21.48 ; C521.2 76.54,113.16 ; C521.2 76.11,112.73 ; C521.2 76.97,112.73 ; 165.55,42.51 C151.1 166.4,42.51 ; 111.98,118.84 J25.3 ; J25.3 110.88,119.94 ; J25.3 113.09,119.94 ; 174.24,142.04 J27.G1 ; J27.G1 175.02,142.82 ; J27.G1 174.24,143.6 ; J27.G1 173.46,142.82 ; C432.2 35,107.87 ; C432.2 35,107.01 ; C432.2 34.57,107.44 ; C229.2 80.94,48.55 ; C229.2 80.52,48.12 ; C229.2 80.52,48.98 ; R330.1 141.07,31.01 ; R330.1 140.64,31.43 ; R330.1 140.22,31.01 ; 100.24,155.33 SW2.4 ; SW2.4 100.24,157.94 ; SW2.4 101.54,156.64 ; 8.94,82.32 J8.11 ; J8.11 11.07,82.32 ; J8.11 10.01,81.26 ; J8.11 10.01,83.39 ; J3.7 117.44,12.2 ; J3.7 117.44,10.59 ; J3.7 118.25,11.39 ; J3.7 116.64,11.39 ; 75.42,106.9 C510.2 ; C510.2 75.85,106.47 ; C510.2 76.27,106.9 ; C510.2 75.85,107.33 ; 139.49,114.83 U49.5 139.49,113.45 ; 137.32,36.27 C219.2 ; C219.2 138.17,36.27 ; C219.2 137.75,35.84 ; C219.2 137.75,36.7 ; 138.48,28.31 R326.2 ; R326.2 138.05,28.74 ; R326.2 138.48,29.16 ; R326.2 138.91,28.74 ; 105.93,156.64 SW2.3 ; SW2.3 107.24,157.94 ; SW2.3 107.24,155.33 ; 136.59,118.91 R378.2 ; R378.2 137.02,119.34 ; R378.2 137.45,118.91 ; 29.87,73.45 U63.32 30.79,73.73 ; 104.54,115.18 C542.2 ; C542.2 104.97,115.61 ; C542.2 105.4,115.18 ; 10.01,88.88 J8.17 ; J8.17 10.01,91.01 ; J8.17 11.07,89.94 ; J8.17 8.94,89.94 ; 57.88,117.15 C456.2 58.74,117.15 ; C373.2 24.91,82.68 ; C373.2 24.91,81.44 ; C373.2 25.53,82.06 ; C373.2 24.28,82.06 ; 102.09,142.1 MH13.1 ; MH13.1 105.3,145.31 ; MH13.1 105.3,138.89 ; MH13.1 108.51,142.1 ; 24.57,76.09 R460.2 24.14,75.66 ; C399.2 26.71,88.79 ; C399.2 26.28,88.37 ; C399.2 27.14,88.37 ; C399.2 26.71,87.94 ; 104.02,109.43 v1(104.02,109.76) 104.02,109.92 ; 42.99,68.89 R484.2 42.56,69.32 ; 129.9,27.73 Q25.2 ; Q25.2 129.4,28.29 ; Q25.2 130.4,28.29 ; 84.82,117.23 84.86,117.23 ; C481.2 63.34,115.67 ; C481.2 63.76,115.25 ; C481.2 62.91,115.25 ; 137.58,114.83 U49.4 137.58,113.45 ; 174.24,138.23 J27.G2 ; J27.G2 174.24,139.79 ; J27.G2 175.02,139.01 ; J27.G2 173.46,139.01 ; C444.2 39.94,115.91 ; C444.2 39.08,115.91 ; C444.2 39.51,116.34 ; C286.2 120.72,129.81 ; C286.2 120.29,130.24 ; C286.2 120.29,129.38 ; C286.2 119.86,129.81 ; 137.68,38.93 C293.2 ; C293.2 138.11,39.36 ; C293.2 138.54,38.93 ; C275.2 15.95,113.69 ; C275.2 15.52,113.26 ; C275.2 16.38,113.26 ; 78.4,115.26 C529.2 ; C529.2 78.83,115.69 ; C529.2 79.26,115.26 ; 75.41,107.85 C514.2 75.84,107.42 ; C428.2 42.55,104.66 ; C428.2 42.12,104.23 ; C428.2 41.69,104.66 ; R305.2 131.41,31.59 ; R305.2 130.98,31.16 ; R305.2 130.98,32.01 ; 21.09,104.19 C270.2 ; C270.2 20.66,104.62 ; C270.2 21.52,104.62 ; R78.2 122.58,46.84 ; R78.2 123.01,46.41 ; R78.2 122.58,45.98 ; R78.2 122.15,46.41 ; C480.2 56.87,113.28 ; C480.2 57.29,112.85 ; C480.2 56.44,112.85 ; C488.2 59.14,115.67 ; C488.2 59.57,115.25 ; C488.2 58.72,115.25 ; C400.2 37.9,64.76 ; C400.2 37.47,64.33 ; C400.2 38.33,64.33 ; C400.2 37.9,63.9 ; Q24.2 126.45,25.79 ; Q24.2 126.45,24.67 ; Q24.2 126.94,25.23 ; Q24.2 125.95,25.23 ; 3.07,95.67 J26.2 ; J26.2 4.17,96.78 ; J26.2 3.07,97.88 ; J26.2 1.96,96.78 ; 107.95,109.61 107.95,110.03 107.83,109.91 v1(107.83,109.76) ; 80.31,41.83 C225.2 80.31,42.69 ; 30.79,82.13 U63.11 28.95,82.13 ; C443.2 36.05,113.27 ; C443.2 35.63,113.69 ; C443.2 35.2,113.27 ; 56.24,107.46 C475.2 55.81,107.89 ; SW1.3 144.93,6.36 ; SW1.3 143.62,5.06 ; SW1.3 143.62,7.67 ; 129.7,26.79 R297.2 129.27,27.22 ; 106.83,29.88 C38.2 ; C38.2 107.26,30.31 ; C38.2 107.26,29.45 ; 113.42,135.97 J15.6 115.63,135.97 ; 43.39,117.15 C418.2 43.81,116.73 ; v1(104.09,107.84) 104,107.93 104,108.44 104.02,108.47 104,108.49 104,108.82 104.02,108.85 ; 58.01,49.38 R346.2 ; R346.2 58.44,49.81 ; R346.2 58.87,49.38 ; 91.03,61.64 J9.146 90.71,60.58 ; 82.66,115.26 C520.2 ; C520.2 83.51,115.26 ; C520.2 83.09,115.69 ; 22.73,104.19 C268.2 ; C268.2 23.15,104.62 ; C268.2 22.3,104.62 ; 26.82,108.09 C274.2 ; C274.2 27.25,108.51 ; C274.2 26.82,108.94 ; 114.52,118.84 J25.4 ; J25.4 114.52,121.05 ; J25.4 113.42,119.94 ; J25.4 115.63,119.94 ; C452.2 43.39,116.34 ; C452.2 42.96,115.91 ; C452.2 43.82,115.91 ; Q48.2 147.07,40.99 ; Q48.2 146.08,40.99 ; Q48.2 146.58,41.55 ; 113.42,133.43 J15.4 115.63,133.43 ; 80.09,44.7 C228.2 80.52,44.27 ; 76.38,117.23 C496.2 77.24,117.23 ; C218.2 134.34,40.37 ; C218.2 133.91,40.8 ; C218.2 133.48,40.37 ; 100.43,111.42 C544.2 ; C544.2 100.85,111.85 ; C544.2 100.85,110.99 ; 143.66,26.93 Q38.2 ; Q38.2 143.66,27.92 ; Q38.2 144.21,27.42 ; Q38.2 143.1,27.42 ; 162.26,41.21 U34.3 161.73,40.88 ; R344.1 72.73,44.45 ; R344.1 72.3,44.88 ; R344.1 72.3,44.02 ; 25.58,117.15 C409.2 24.72,117.15 ; 69.76,46.39 Q52.2 ; Q52.2 70.25,46.95 ; Q52.2 69.76,47.51 ; 144.99,35.84 C227.2 ; C227.2 144.99,36.7 ; C227.2 145.41,36.27 ; C227.2 144.56,36.27 ; 39.42,92.02 R530.2 ; R530.2 39.85,92.45 ; R530.2 39.85,91.59 ; 109.03,29.86 C220.2 109.89,29.86 ; 164.59,121.62 J29.3 166.72,121.62 ; C285.2 120.29,129.17 ; C285.2 119.86,128.74 ; C285.2 120.29,128.31 ; C285.2 120.72,128.74 ; C552.2 106.55,104.53 ; C552.2 106.12,104.1 ; C552.2 105.69,104.53 ; C221.2 138.98,31.94 ; C221.2 138.13,31.94 ; C221.2 138.56,32.36 ; 132.61,118.73 C251.2 133.23,118.11 ; 83.63,104.18 C525.2 ; C525.2 84.49,104.18 ; C525.2 84.06,103.75 ; J30.S1 174.15,128.55 ; J30.S1 171.34,128.55 ; J30.S1 172.74,129.31 ; J30.S1 172.74,127.79 ; 43.9,117.15 44.24,117.15 ; R291.2 125.29,32.15 ; R291.2 124.44,32.15 ; R291.2 124.86,31.72 ; R461.2 24.57,75.15 ; R461.2 24.14,74.72 ; R461.2 24.14,75.58 ; 15.4,107.94 C273.2 14.97,108.37 ; 100.85,108.34 C539.2 ; C539.2 100.85,109.2 ; C539.2 100.43,108.77 ; 111.13,110.19 C551.2 ; C551.2 111.56,110.62 ; C551.2 111.13,111.05 ; 23.69,115.91 C278.2 ; C278.2 24.12,116.34 ; C278.2 24.55,115.91 ; 28.41,86.28 C323.2 27.98,86.71 ; 62.02,103.75 C476.2 ; C476.2 61.59,104.18 ; C476.2 62.45,104.18 ; 113.42,138.51 J15.8 ; J15.8 115.63,138.51 ; J15.8 114.52,139.61 ; v1(107.81,111.64) 107.82,111.64 107.95,111.51 107.95,110.56 ; 40,116.73 C419.2 40.43,117.15 ; 84.43,116.8 C494.2 84,117.23 ; 62.57,117.15 C455.2 61.71,117.15 ; J27.S1 174.15,145.67 ; J27.S1 172.74,144.91 ; J27.S1 172.74,146.42 ; J27.S1 171.34,145.67 ; 129.52,96.79 129.98,96.79 ; 138.92,42.64 U53.3 139.6,42.14 ; 129.4,31.16 Q26.2 130.4,31.16 ; R379.2 67.1,47.93 ; R379.2 66.25,47.93 ; R379.2 66.68,47.5 ; 48.39,86.05 R502.2 48.82,85.62 ; 17.96,117.15 C415.2 17.1,117.15 ; 64.19,103.75 C485.2 ; C485.2 63.77,104.18 ; C485.2 64.62,104.18 ; 25.06,66.77 R456.2 ; R456.2 25.06,67.63 ; R456.2 24.63,67.2 ; R456.2 25.49,67.2 ; 72.54,117.23 C502.2 72.97,116.8 ; C442.2 42.17,115.91 ; C442.2 41.31,115.91 ; C442.2 41.74,116.34 ; C515.2 87.07,114.48 ; C515.2 86.64,114.91 ; C515.2 86.21,114.48 ; 170.51,64.56 R178.2 170.08,64.14 ; 63.28,53.44 J9.43 63.28,51.33 ; C179.2 167.07,40.11 ; C179.2 166.64,39.69 ; C179.2 167.5,39.69 ; 164.59,135.82 J28.2 166.72,135.82 ; 72.73,42.39 R335.1 72.3,42.82